# Altium PCB BaseBoard_KB_ATM_.PcbDoc (part 1 of 2)
Units mm, origin at the board's own origin, x right, y up, seen from the top; angles counter-clockwise.
Board outline 97.5 x 100 mm, 2 copper layers (Component Side, Bottom Layer), stack 1.57 mm thick; 186 components, 117 nets, 507 pads, 152 vias.
Unrouted connection lines stored in the file: 4.
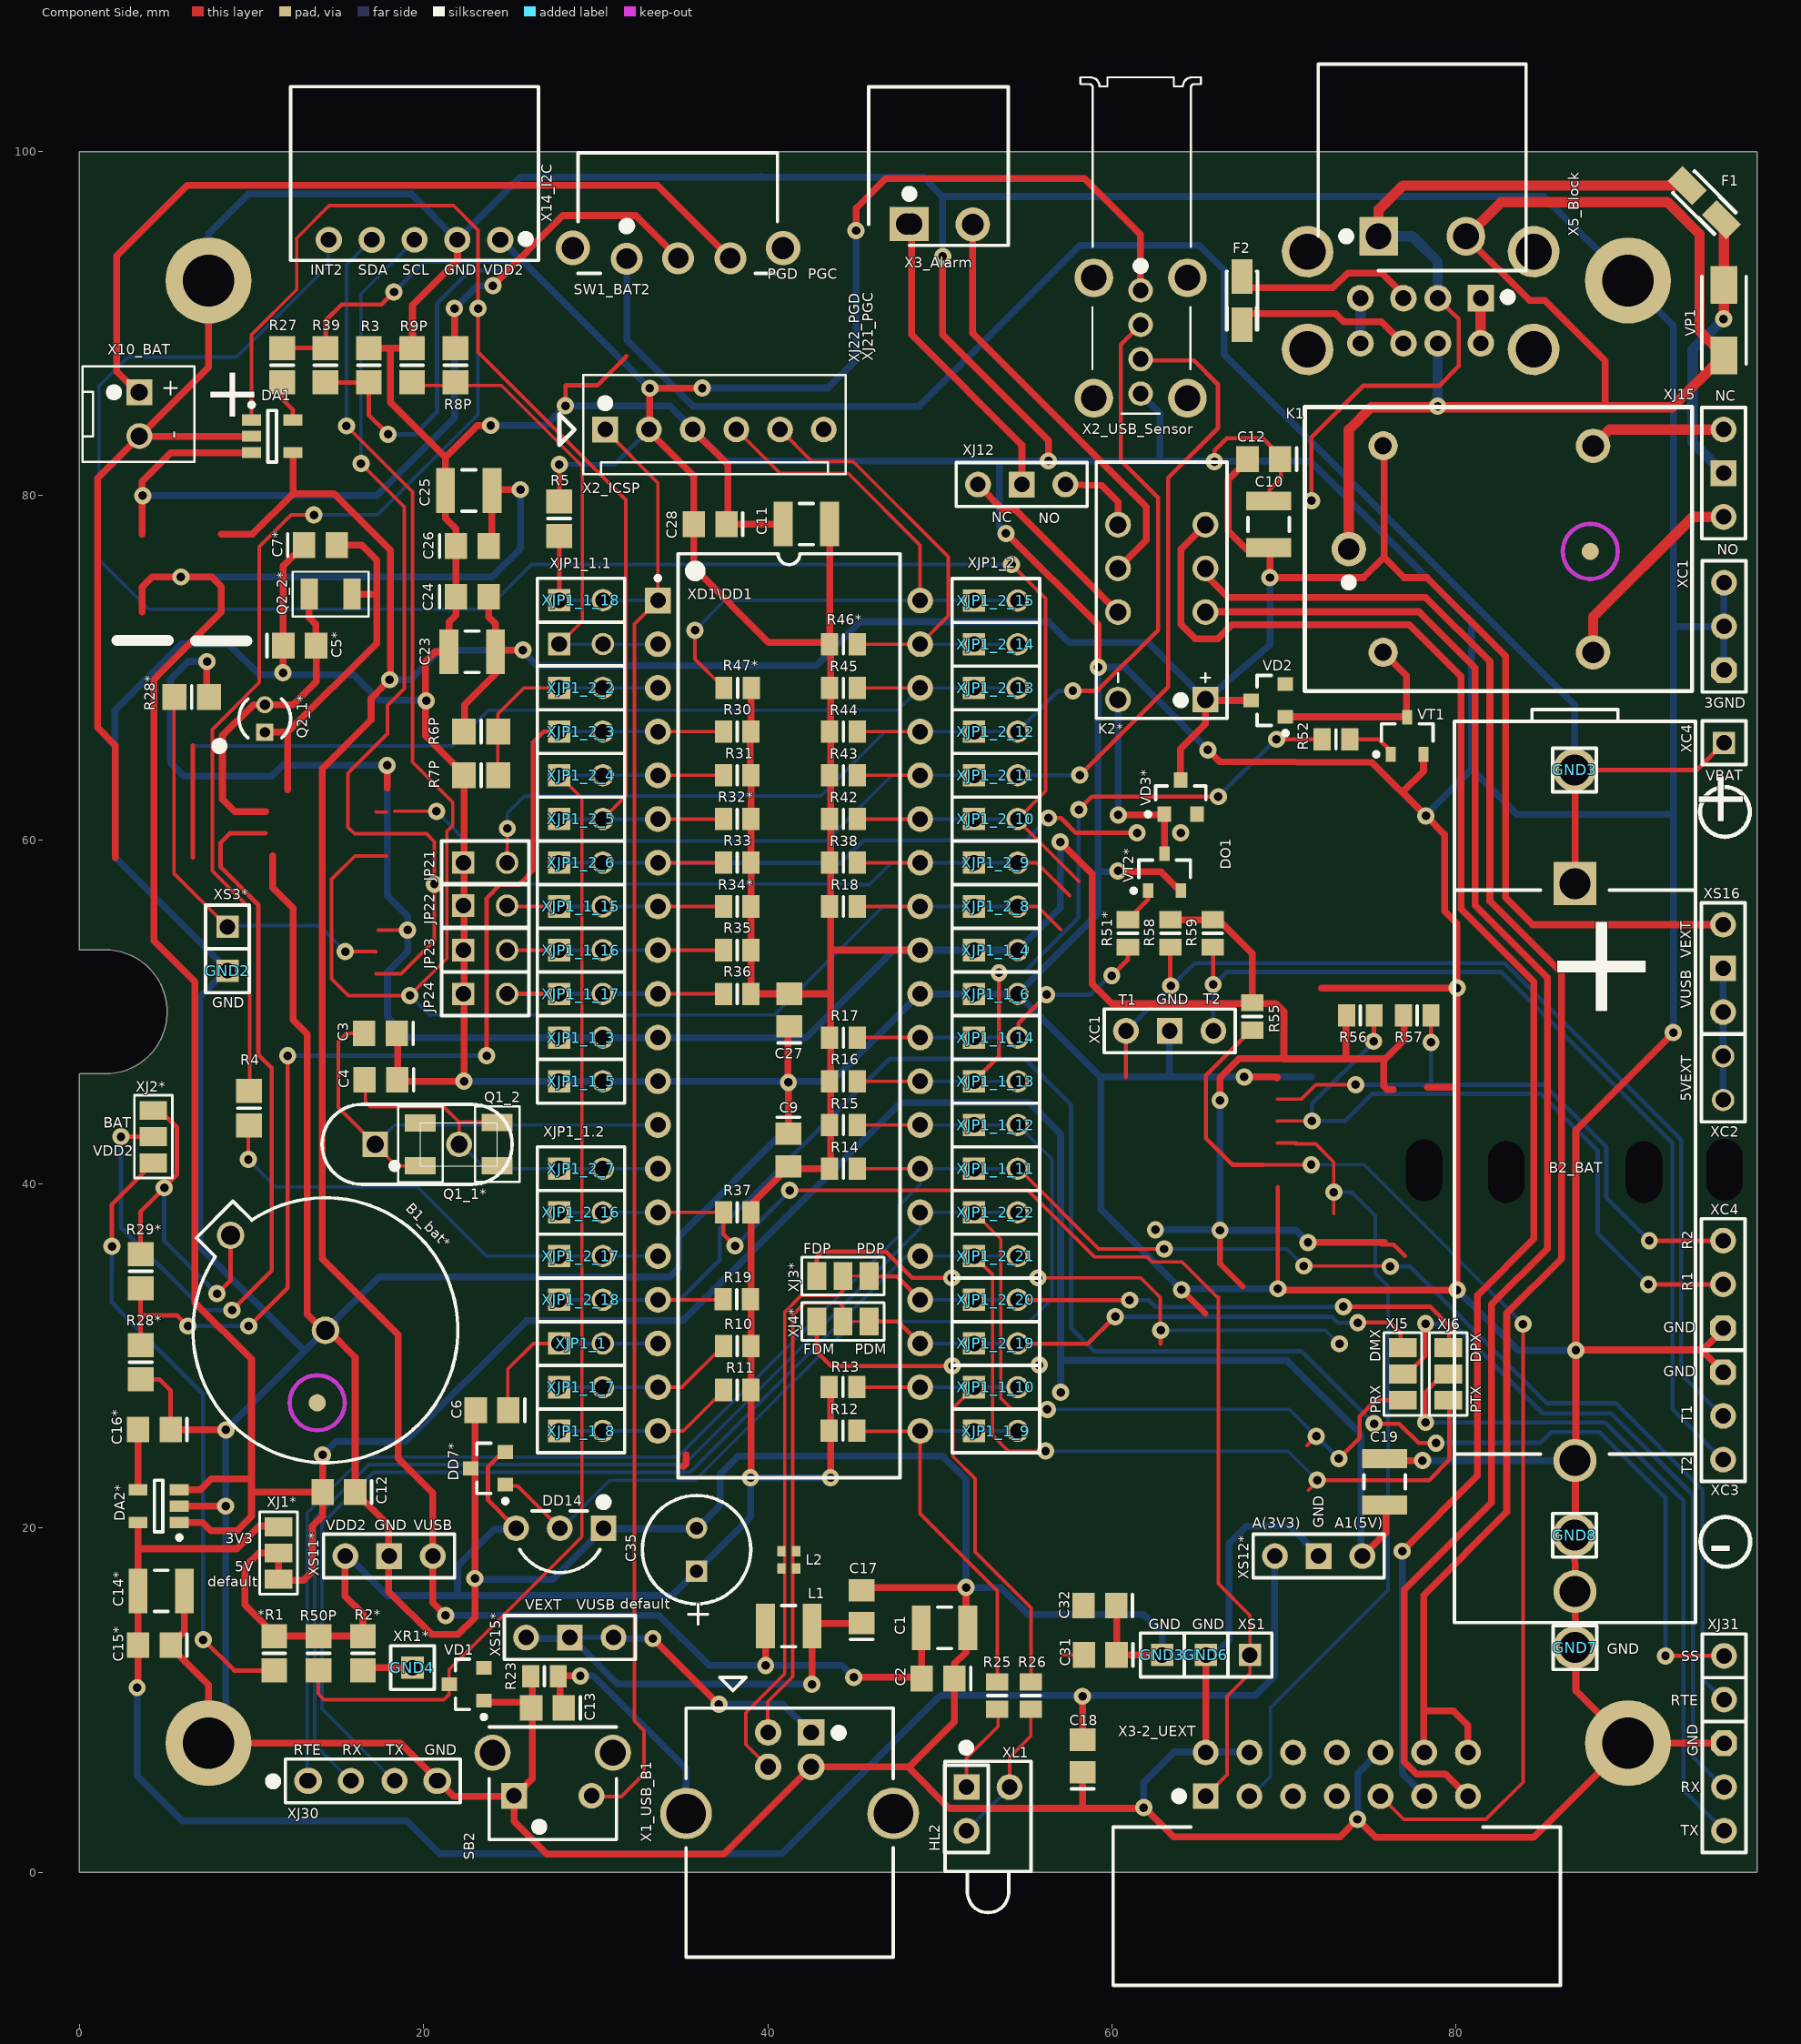
[diagram p0: Component Side view]
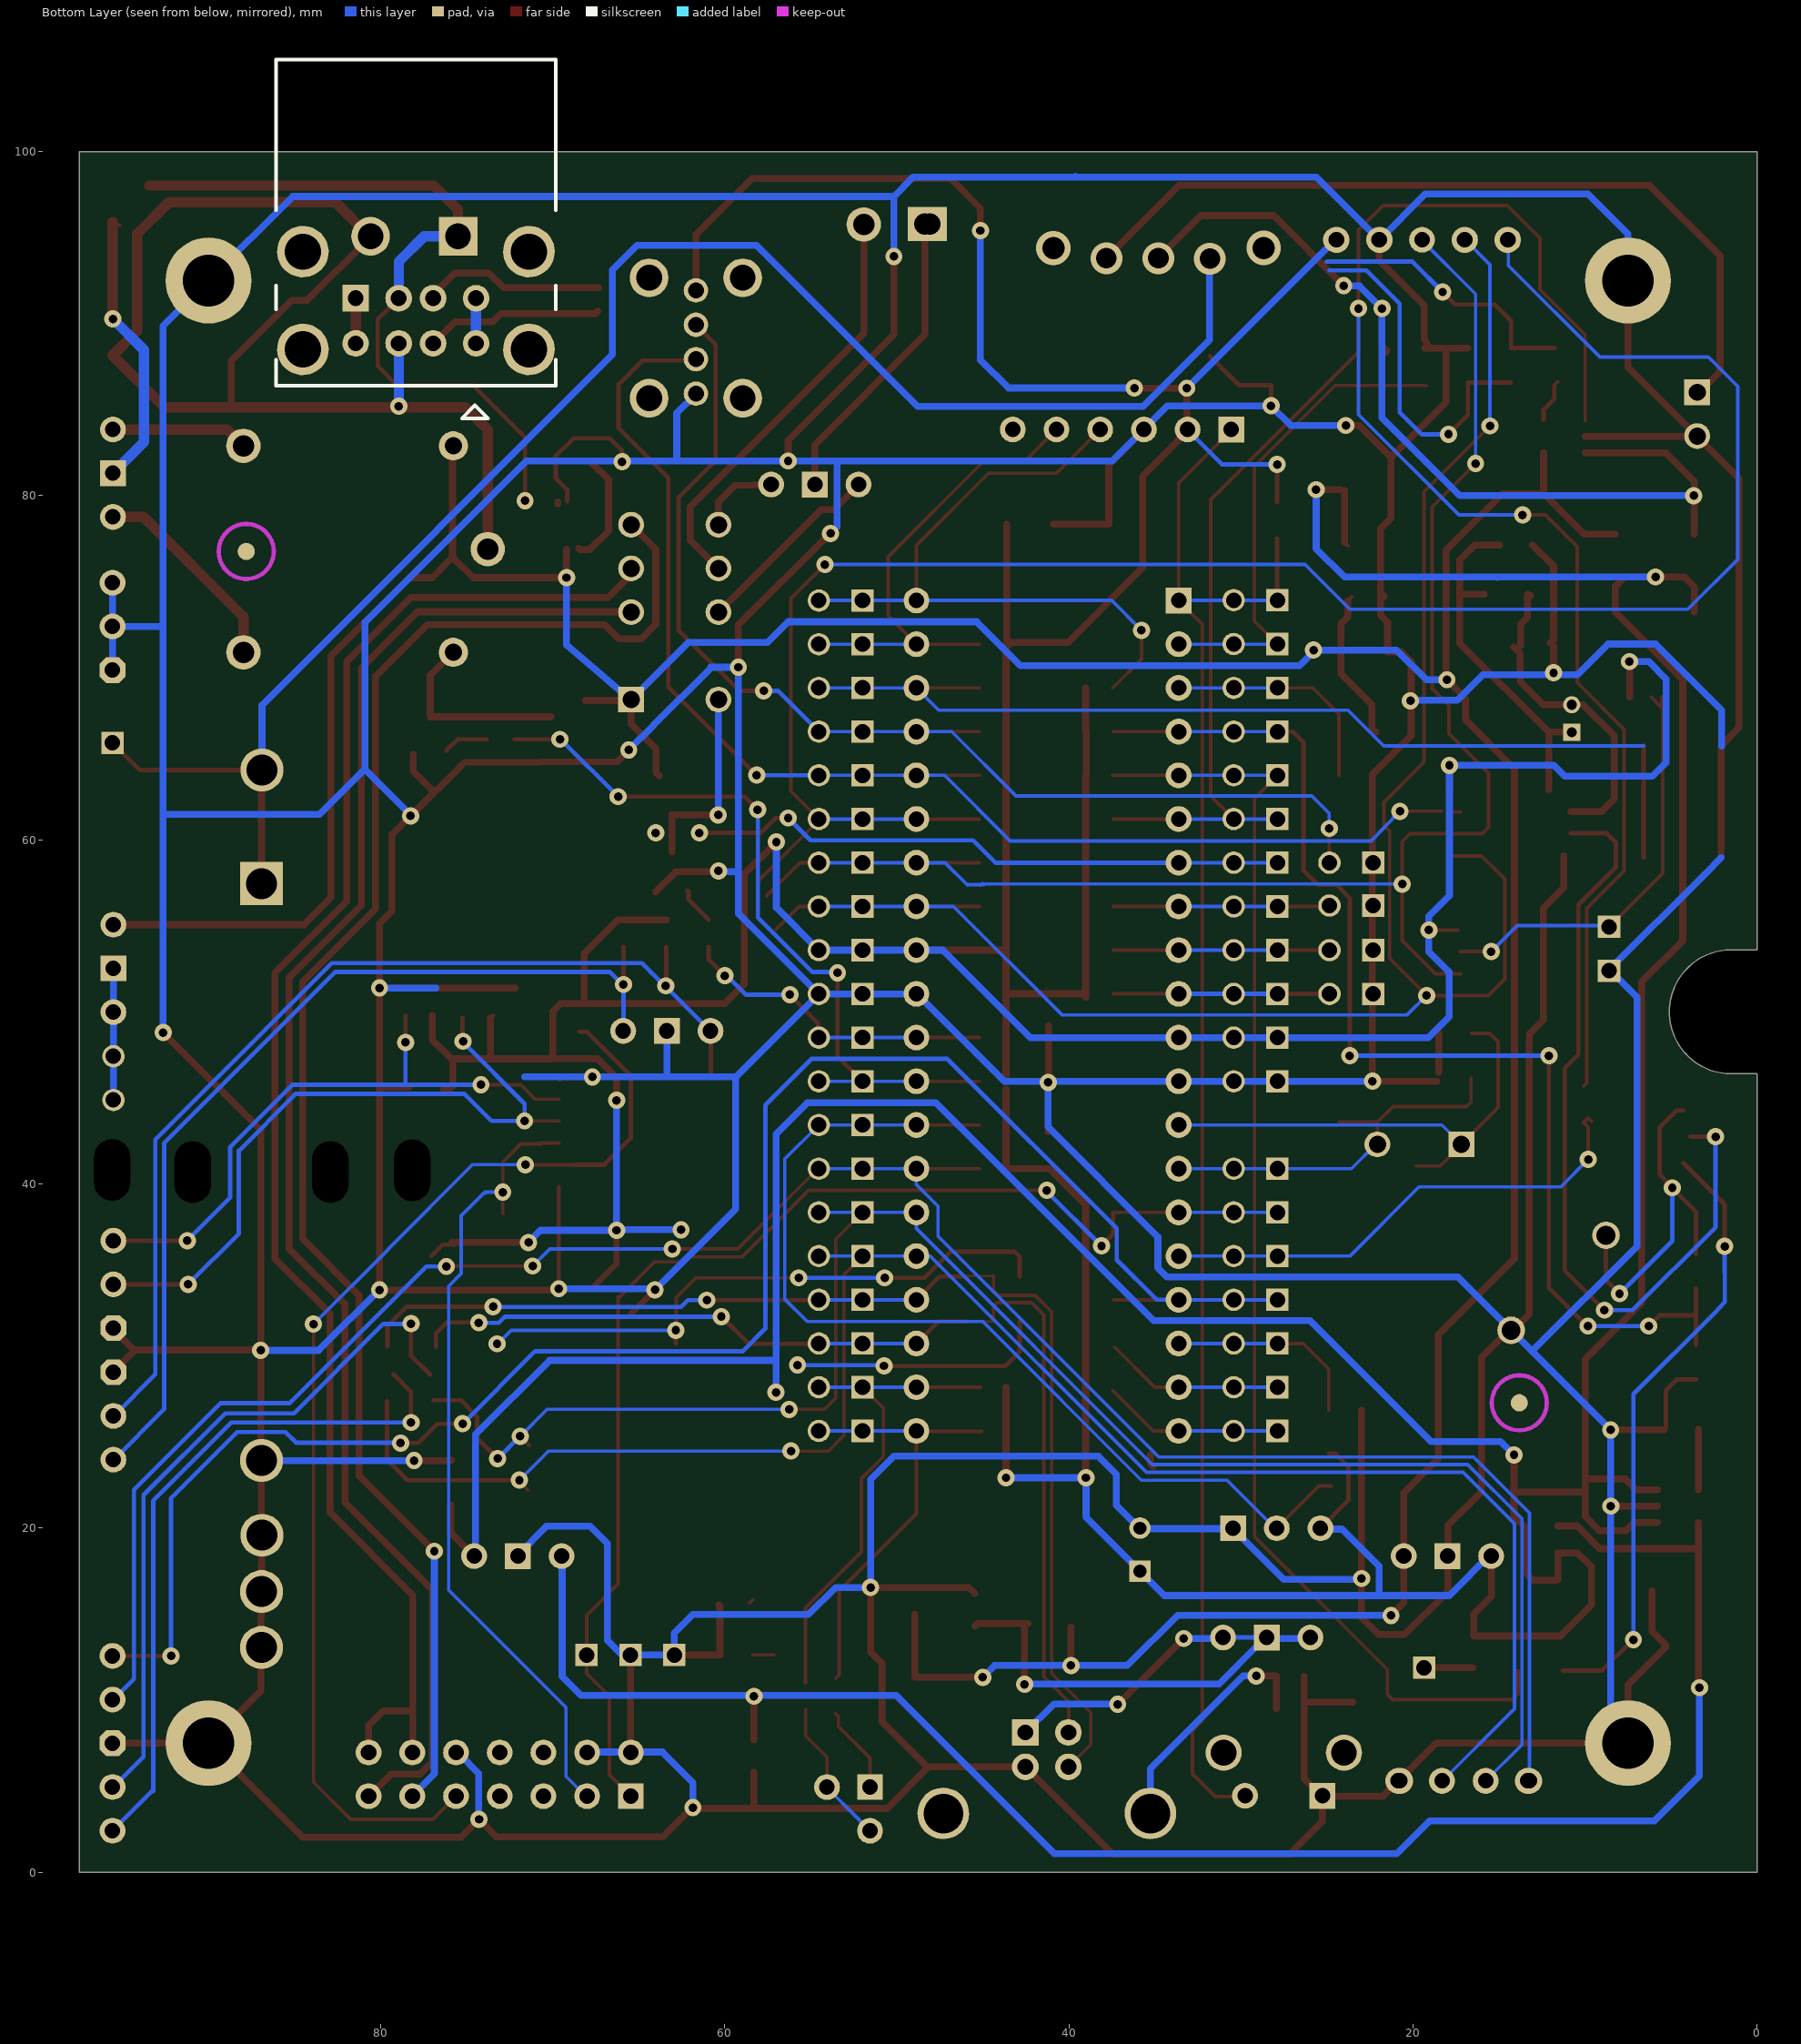
[diagram p1: Bottom Layer view, seen from below]

## Layer stack, top to bottom
Top Solder: solder mask 0.03, Solder Resist, Dk 3.5
Component Side: signal copper 0.035
Dielectric 1: core 1.5, FR-4, Dk 4.2
Bottom Layer: signal copper 0.035
Solder Side: solder mask 0.03, Solder Resist, Dk 3.5

## Board outline
0,0 0,46.375 0.025,46.4 1.5,46.4 ccw(c1.5,50) 1.5,53.6 0,53.6 0,100 97.5,100 97.5,0

## Design rules (kind name [scope] priority, off if disabled: settings)
BoardOutlineClearance [All] p1: gap=0.4 ignorepadtopadclearanceinfootprint=FALSE
Clearance "Clearance (non-plated Via)" [IsVia and not PadIsPlated] p1: gap=0.25 ignorepadtopadclearanceinfootprint=FALSE except(0: Arc-Hole Track-Hole SMDPad-Hole THPad-Hole Via-Hole Fill-Hole Poly-Hole Region-Hole Text-Hole)
Clearance "Clearance (All)" [All] p2: gap=0.125 ignorepadtopadclearanceinfootprint=FALSE except(0: Arc-Hole Track-Hole SMDPad-Hole THPad-Hole Via-Hole Fill-Hole Poly-Hole Region-Hole Text-Hole)
HoleSize "HoleSize (non-plated Via)" [IsVia and not PadIsPlated] p1: absolutevalues=TRUE maxlimit=6 minlimit=0.5 maxpercent=80.000 minpercent=20.000
HoleSize "HoleSize (Fiducial marks)" [HasPad('Free-0') and HoleSize=0 and not PadIsPlated] p2 off: absolutevalues=TRUE maxlimit=3 minlimit=0 maxpercent=80.000 minpercent=20.000
HoleSize "HoleSize (All ex. Free-BMH)_1" [All and PadIsPlated and not HasPad('Free-BMH')] p3: absolutevalues=TRUE maxlimit=3 minlimit=0.3 maxpercent=80.000 minpercent=20.000
MinimumAnnularRing "MinimumAnnularRing (Via)" [IsPad] p1: minimumring=0.2
MinimumAnnularRing "MinimumAnnularRing (Pad)" [IsVia] p2: minimumring=0.15
MinimumSolderMaskSliver [All] p1: minsoldermaskwidth=0.15
PolygonConnect [All] p1: connectstyle=Relief reliefconductorwidth=0.254 reliefentries=4 polygonreliefangle="90 Angle" airgapwidth=0.254
RoutingTopology [All] p1: topology=Daisy_Simple
RoutingVias [All] p1: holewidth=0.5 width=1 viastyle="Through Hole" minholewidth=0.3 minwidth=0.5 maxholewidth=0.5 maxwidth=1
SilkToBoardRegionClearance [All] p1 off:
SilkToSilkClearance [All] p1: silktosilkclearance=0.2
SilkToSolderMaskClearance [IsPad] p1: minsilkscreentomaskgap=0.2 clearancetoexposedcopper=TRUE
SolderMaskExpansion [All] p1: expansion=0.05
UnConnectedPin [All] p1:
Width [All] p1: maxlimit=0.4 minlimit=0.125 preferedwidth=0.2 minimp=50.000000 maximp=50.000000 favimp=50.000000
24 further rules are at their usual default settings.

## Classes and differential pairs
component class baseBoard: C1 C2 C3 C4 C9 C12 C15* C23 C24 C25 C26 DA1 DA2* GND GND1 GND2 GND3 GND6 HL2 K2* Q1_1* R2* R3 R4 R5p R6P R7P R8P R9P R10 R11 R12 R13 R14 R15 R16 R17 R18 R31 R32* R33 R34* R35 R36 R37 R38 R42 R43 R44 R45 R46* R47* VD1 X2_ICSP X2_USB_Sensor X3-2_UEXT X10_BAT X14_I2C XD1\DD1 XJ1* XJ25 XJP1_1 XJP1_1_3 XJP1_1_4 XJP1_1_5 XJP1_1_6 XJP1_1_7 XJP1_1_8 XJP1_1_9 XJP1_1_10 XJP1_1_11 XJP1_1_12 XJP1_1_13 XJP1_1_14 XJP1_1_15 XJP1_1_16 XJP1_1_17 XJP1_1_18 XJP1_2 XJP1_2_2 XJP1_2_3 XJP1_2_4 XJP1_2_5 XJP1_2_6 XJP1_2_7 XJP1_2_8 XJP1_2_9 XJP1_2_10 XJP1_2_11 XJP1_2_12 XJP1_2_13 XJP1_2_14 XJP1_2_15 XJP1_2_16 XJP1_2_17 XJP1_2_18 XJP1_2_19 XJP1_2_20 XJP1_2_21 XJP1_2_22 XS16

## Components (designator, comment, footprint, x,y, rotation, side; value= is the part's Value field where it differs from the comment)
*R1 "Resistor, 0805" R-0805_M 11.319,12.725 r270 top (schematic designator R5)
B1_bat* "CR1220 battery holder" BH-CR1220 14.294,31.497 r45 top (schematic designator B1)
B2_BAT "AA battery holder" BH-AA-2915-2MH 86.919,65.075 r270 top (schematic designator B2)
C1 "Capacitor, 1210" C-1210_L 50.275,14.2 r0 top
C2 "Capacitor, 0805" C-0805 49.9,11.25 r180 top
C3 "Capacitor, 0805" C-0805 17.501,48.75 r180 top
C4 "Capacitor, 0805" C-0805 17.526,46.05 r180 top
C5* "Capacitor, 0805" C-0805 12.8,71.275 r0 top (schematic designator C5)
C6 "Capacitor, 0805" C-0805 23.978,26.848 r180 top (schematic designator C3)
C7* "Capacitor, 0805" C-0805 14,77.125 r0 top (schematic designator C7)
C9 "Capacitor, 0805" C-0805 41.2,41.975 r270 top (schematic designator C32)
C10 "Capacitor, 1210" C-1210_L 69.113,78.334 r270 top (schematic designator C6)
C11 "Capacitor, 1210" C-1210_L 42.24,78.35 r0 top (schematic designator C6)
C12 "Capacitor, 0805" C-0805 68.834,82.118 r180 top (schematic designator C31)
C12 "Capacitor, 0805" C-0805 15.075,22.1 r180 top
C13 "Capacitor, 0805" C-0805 27.203,9.55 r180 top (schematic designator C2)
C14* "Capacitor, 1210" C-1210_L 4.75,16.35 r0 top (schematic designator C14)
C15* "Capacitor, 0805" C-0805 4.35,13.2 r180 top (schematic designator C15)
C16* "Capacitor, 0805" C-0805 4.35,25.725 r180 top (schematic designator C15)
C17 "Capacitor, 0805" C-0805 45.45,15.425 r90 top (schematic designator C2)
C18 "Capacitor, 0805" C-0805 58.3,6.75 r90 top (schematic designator C2)
C19 "Capacitor, 1210" C-1210_L 75.85,22.682 r270 top (schematic designator C1)
C23 "Capacitor, 1210" C-1210_L 22.825,70.925 r180 top
C24 "Capacitor, 0805" C-0805 22.825,74.125 r0 top
C25 "Capacitor, 1210" C-1210_L 22.625,80.3 r180 top
C26 "Capacitor, 0805" C-0805 22.825,77.075 r0 top
C27 "Capacitor, 0805" C-0805 41.25,50.1 r90 top
C28 "Capacitor, 0805" C-0805 36.65,78.35 r180 top
C31 "Capacitor, 0805" C-0805 59.325,12.625 r180 top (schematic designator C4)
C32 "Capacitor, 0805" C-0805 59.3,15.5 r180 top (schematic designator C3)
C35 "Comment" C' 35.865,18.745 r90 top
DA1 "MCP73831T-2ACI/OT" SOT23-5L_N 11.2,83.45 r0 top (schematic designator U1)
DA2* "LD2985BM18R" SOT23-5L_N 4.6,21.275 r180 top (schematic designator DA2)
DD7* "Zener" SOT23-ONSC-3-318-08_V 23.749,23.47 r180 top (schematic designator D1)
DD14 "DS1820" PR35-2.54 27.915,19.99 r90 top
F1 "Comment" 3216 94.437,97.028 r135 top
F2 "Comment" 3216 67.564,91.338 r90 top
GND2 "GND" PLS-1#1 8.602,52.39 r0 top
GND3 "" PLS-1#2 86.893,64.059 r90 top
GND3 "GND" PLS-1#1 62.925,12.625 r90 top
GND4 "XR1*" PLS-1#1 19.355,11.887 r0 top (schematic designator GND2)
GND6 "GND" PLS-1#1 65.475,12.625 r0 top
GND7 "GND" PLS-1#2 86.919,13.056 r90 top (schematic designator GND3)
GND8 "" PLS-1#2 86.893,19.583 r90 top (schematic designator GND3)
HL2 "HLED" HLED-RED 52.805,4.949 r0 top
JP21 "PLD-2" PLD-1#1 23.583,58.666 r0 top (schematic designator XJP1_1_16)
JP22 "PLD-2" PLD-1#1 23.583,56.177 r0 top (schematic designator XJP1_1_16)
JP23 "PLD-2" PLD-1#1 23.583,53.586 r0 top (schematic designator XJP1_1_16)
JP24 "PLD-2" PLD-1#1 23.581,51.046 r0 top (schematic designator XJP1_1_16)
K2* "P2 V23079" P2-V23079 62.9,68.15 r90 top (schematic designator K4)
L1 "Capacitor, 1210" C-1210_L 41.224,14.3 r180 top (schematic designator C1)
L2 "Comment" 0402 40.792,18.161 r90 top
Q1_1* "HC49S" HC49S 19.625,42.3 r0 top (schematic designator Q1)
Q1_2 "DT-38" X3215 19.716,42.298 r90 top (schematic designator Q2)
Q2 "DT-38" X3215 24.181,42.316 r90 top
Q2_1* "DT-38" R38 10.77,67.051 r180 top (schematic designator Q2)
Q2_2* "DT-38" X3215 14.6,74.175 r180 top (schematic designator Q2)
R2* "Resistor, 0805" R-0805_M 16.475,12.725 r90 top (schematic designator R2)
R3 "Resistor, 0805" R-0805_M 16.815,87.579 r270 top
R4 "Resistor, 0805" R-0805_M 9.855,44.399 r90 top
R5 "Resistor, 0805" R-0805_M 27.889,78.664 r90 top (schematic designator R2)
R6P "Resistor, 0805" R-0805_M 23.343,66.294 r180 top (schematic designator R6)
R7P "Resistor, 0805" R-0805_M 23.343,63.754 r0 top (schematic designator R7)
R8P "Resistor, 0805" R-0805_M 21.844,87.579 r90 top (schematic designator R8)
R9P "Resistor, 0805" R-0805_M 19.329,87.579 r270 top (schematic designator R9)
R10 "Resistor, 0805" R-0805_L 38.225,30.575 r0 top
R11 "Resistor, 0805" R-0805_L 38.225,28.025 r0 top
R12 "Resistor, 0805" R-0805_L 44.374,25.654 r180 top
R13 "Resistor, 0805" R-0805_L 44.374,28.194 r180 top
R14 "Resistor, 0805" R-0805_L 44.4,40.886 r180 top
R15 "Resistor, 0805" R-0805_L 44.4,43.426 r180 top
R16 "Resistor, 0805" R-0805_L 44.4,45.966 r180 top
R17 "Resistor, 0805" R-0805_L 44.4,48.506 r180 top
R18 "Resistor, 0805" R-0805_L 44.4,56.126 r180 top
R19 "Resistor, 0805" R-0805_L 38.2,33.3 r0 top (schematic designator R10)
R23 "Resistor, 0805" R-0805_L 27.026,11.379 r180 top (schematic designator R12)
R25 "Resistor, 0805" R-0805_L 53.34,10.262 r270 top (schematic designator R12)
R26 "Resistor, 0805" R-0805_L 55.296,10.262 r270 top (schematic designator R12)
R27 "Resistor, 0805" R-0805_M 11.786,87.579 r270 top (schematic designator R3)
R28* "Resistor, 0805" R-0805_M 6.528,68.301 r180 top (schematic designator R28)
R28* "Resistor, 0805" R-0805_M 3.556,29.642 r270 top (schematic designator R7)
R29* "Resistor, 0805" R-0805_M 3.556,34.925 r90 top (schematic designator R6)
R30 "Resistor, 0805" R-0805_L 38.225,66.286 r0 top
R31 "Resistor, 0805" R-0805_L 38.225,63.746 r0 top
R32* "Resistor, 0805" R-0805_L 38.225,61.206 r0 top (schematic designator R32)
R33 "Resistor, 0805" R-0805_L 38.225,58.666 r0 top
R34* "Resistor, 0805" R-0805_L 38.225,56.126 r0 top (schematic designator R34)
R35 "Resistor, 0805" R-0805_L 38.225,53.586 r0 top
R36 "Resistor, 0805" R-0805_L 38.225,51.046 r0 top
R37 "Resistor, 0805" R-0805_L 38.225,38.346 r0 top
R38 "Resistor, 0805" R-0805_L 44.4,58.666 r180 top
R39 "Resistor, 0805" R-0805_M 14.3,87.579 r270 top (schematic designator R3)
R42 "Resistor, 0805" R-0805_L 44.4,61.206 r180 top
R43 "Resistor, 0805" R-0805_L 44.4,63.746 r180 top
R44 "Resistor, 0805" R-0805_L 44.4,66.286 r180 top
R45 "Resistor, 0805" R-0805_L 44.4,68.826 r180 top
R46* "Resistor, 0805" R-0805_L 44.4,71.366 r180 top (schematic designator R46)
R47* "Resistor, 0805" R-0805_L 38.25,68.825 r0 top (schematic designator R47)
R50P "Resistor, 0805" R-0805_M 13.894,12.725 r270 top (schematic designator R5)
R51* "Resistor, 0805" R-0805_L 60.935,54.559 r270 top (schematic designator R50)
R52 "Resistor, 0805" R-0805_L 73.025,65.837 r180 top (schematic designator R50)
R55 "Resistor, 0805" R-0805_L 68.174,49.733 r90 top (schematic designator R60)
R56 "Resistor, 0805" R-0805_L 74.447,49.784 r180 top (schematic designator R50)
R57 "Resistor, 0805" R-0805_L 77.749,49.784 r180 top (schematic designator R50)
R58 "Resistor, 0805" R-0805_L 63.398,54.559 r270 top (schematic designator R50)
R59 "Resistor, 0805" R-0805_L 65.862,54.559 r270 top (schematic designator R50)
SB2 "TC-0203" TC-0203 27.508,4.445 r0 top (schematic designator SB1)
SW1_BAT2 "B3031" B-3031 34.773,96.418 r180 top (schematic designator S1)
VD1 "Zener" SOT23-ONSC-3-318-08_V 22.504,10.922 r180 top (schematic designator D1)
VD2 "Zener" SOT23-ONSC-3-318-08_V 69.088,68.097 r180 top (schematic designator D1)
VD3* "Zener" SOT23-ONSC-3-318-08_V 64.004,62.484 r90 top (schematic designator D1)
VT1 "Comment" SOT-23B_L 77.165,66.04 r90 top
VT2* "Comment" SOT-23B_L 63.068,58.115 r90 top
X1_USB_B1 "USB 2.0 B" USB-2-B 41.275,7.125 r0 top (schematic designator X1_USB_B)
X2_ICSP "WF6S" WF6S 36.906,83.845 r0 top
X2_USB_Sensor "USB 2.0 A, up right" USB-2-A-UR 61.673,89.159 r270 top
X3-2_UEXT "IDC-14MR" IDC-14MR 73.076,4.42 r0 top
X5_USBA "USB 2.0 A, dual" USB-2-A-D 77.947,90.199 r0 bottom
X10_BAT "DG308-2.54-02P" DG308-2.54-02P-Pol 3.48,84.734 r270 top
X14_I2C "KF2EDGR-2.5-05P-14" KF2EDGR-5 24.471,94.869 r180 top
XC1 "PLS-3" HDR1X3#1 62.093,48.895 r0 top (schematic designator XJ30)
XC1 "PLS-3" HDR1X3#2 95.58,71.13 r90 top (schematic designator XJ30)
XC2 "PLS-3" HDR1X3#1 95.529,53.797 r270 top (schematic designator XJ30)
XC3 "PLS-3" HDR1X3#3 95.529,25.248 r90 top (schematic designator XJ30)
XC4 "PLS-3" HDR1X3#2 95.529,32.893 r90 top (schematic designator XJ30)
XC4 "PLS-1" PLS-1#1 95.58,65.634 r90 top (schematic designator XS3)
XD1\DD1 "PIC18F4550-I/P" PDIP600-P40 41.238,49.776 r0 top (schematic designator DD1)
XJ1* "Jumper, SMD" J-3-SMD 11.575,18.55 r270 top (schematic designator XJ1)
XJ2* "Jumper, SMD" J-3-SMD 4.293,42.748 r270 top (schematic designator XJ1)
XJ3* "Jumper, SMD" J-3-SMD 44.374,34.646 r0 top (schematic designator XJ1)
XJ4* "Jumper, SMD" J-3-SMD 44.374,32.004 r0 top (schematic designator XJ1)
XJ5 "Jumper, SMD" J-3-SMD 76.911,28.956 r270 top (schematic designator XJ1)
XJ6 "Jumper, SMD" J-3-SMD 79.553,28.956 r270 top (schematic designator XJ1)
XJ12 "PLS-3" HDR1X3#1 53.492,80.645 r0 top (schematic designator XJ30)
XJ15 "PLS-3" HDR1X3#1 95.555,80.035 r90 top (schematic designator XJ30)
XJ30 "Comment" HDR1X4 13.233,5.309 r0 top
XJ31 "PLS-3" HDR1X3#2 95.58,6.223 r270 top (schematic designator XJ30)
XJP1_1 "PLD-2" PLD-1#1 29.146,30.726 r0 top
XJP1_1_3 "PLD-2" PLD-1#1 29.146,48.506 r0 top
XJP1_1_4 "PLD-2" PLD-1#1 53.26,53.586 r0 top
XJP1_1_5 "PLD-2" PLD-1#1 29.146,45.966 r0 top
XJP1_1_6 "PLD-2" PLD-1#1 53.26,51.046 r0 top
XJP1_1_7 "PLD-2" PLD-1#1 29.146,28.186 r0 top
XJP1_1_8 "PLD-2" PLD-1#1 29.146,25.646 r0 top
XJP1_1_9 "PLD-2" PLD-1#1 53.26,25.646 r0 top
XJP1_1_10 "PLD-2" PLD-1#1 53.26,28.186 r0 top
XJP1_1_11 "PLD-2" PLD-1#1 53.26,40.886 r0 top
XJP1_1_12 "PLD-2" PLD-1#1 53.26,43.426 r0 top